# Altium PCB MotorDrive.PcbDoc
Units mm, origin at the board's own origin, x right, y up, seen from the top; angles counter-clockwise.
Board outline 35 x 29 mm, 2 copper layers (Top Layer, Bottom Layer); 56 components, 53 nets, 266 pads, 142 vias.
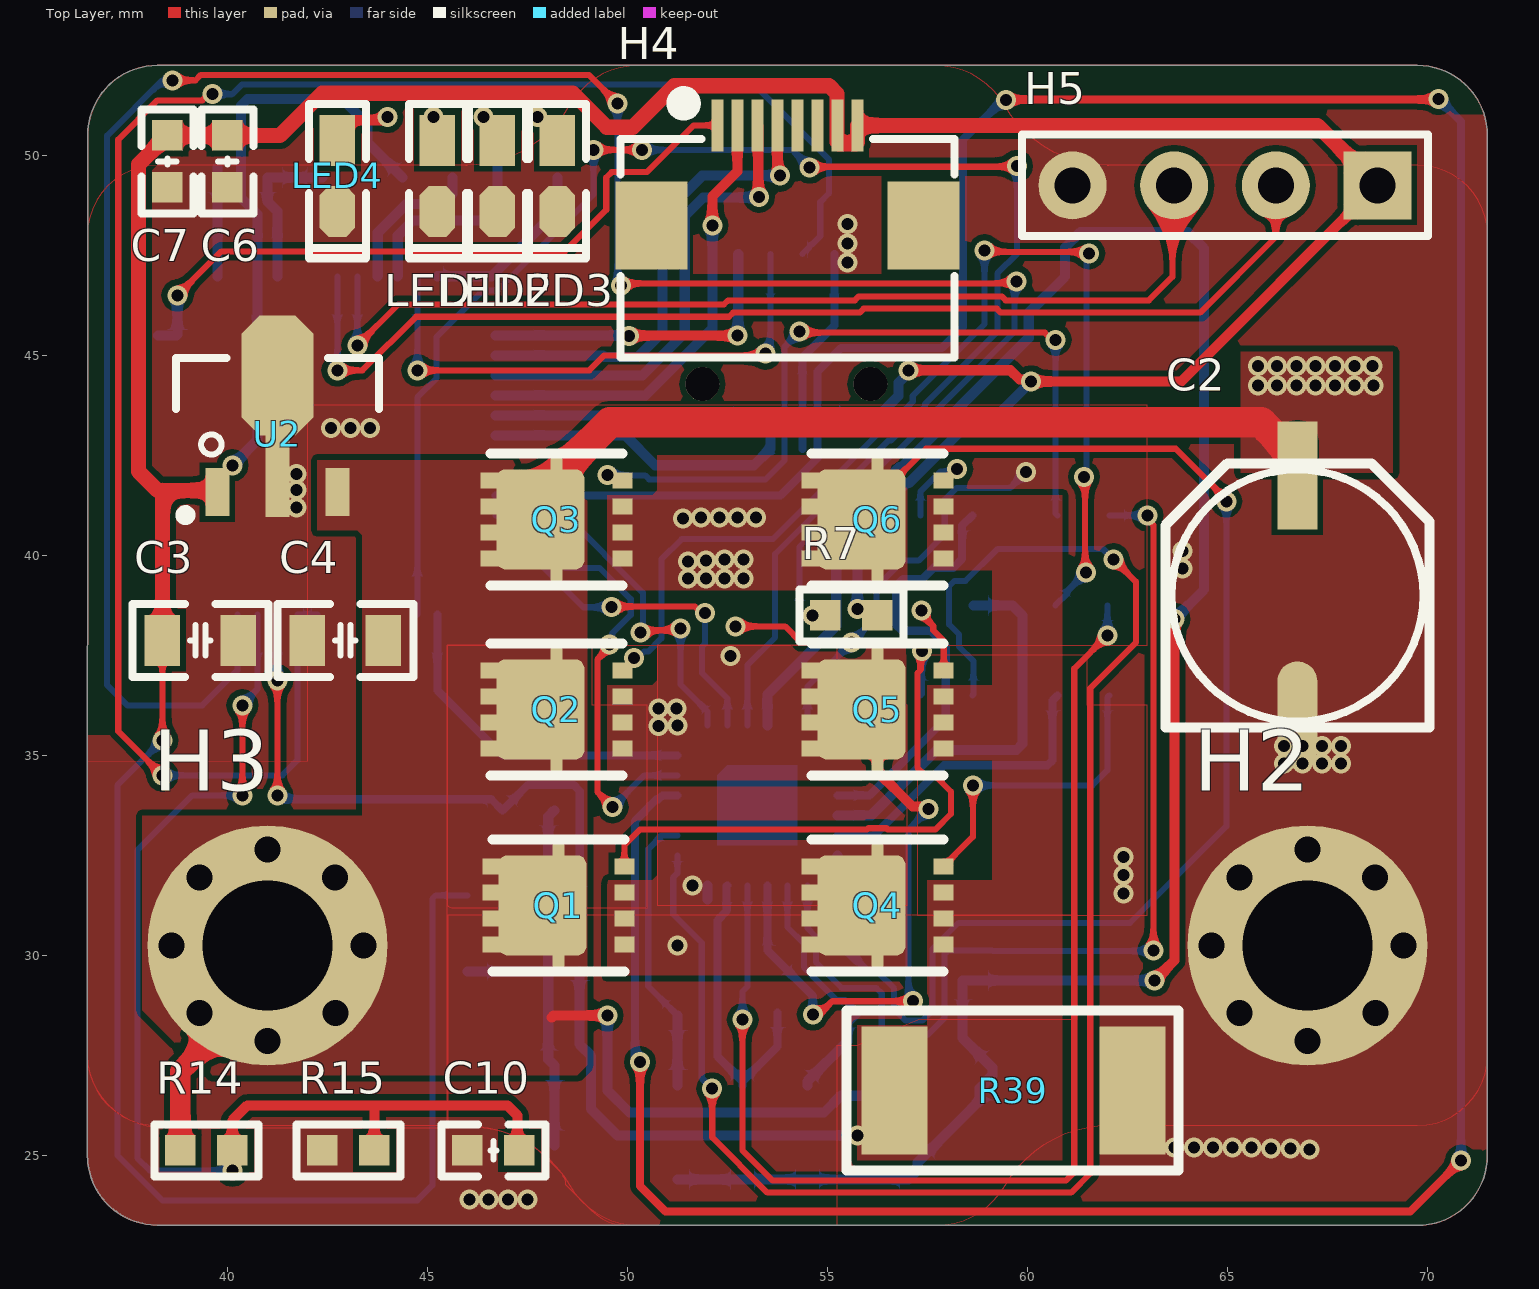
[diagram p0: Top Layer view]
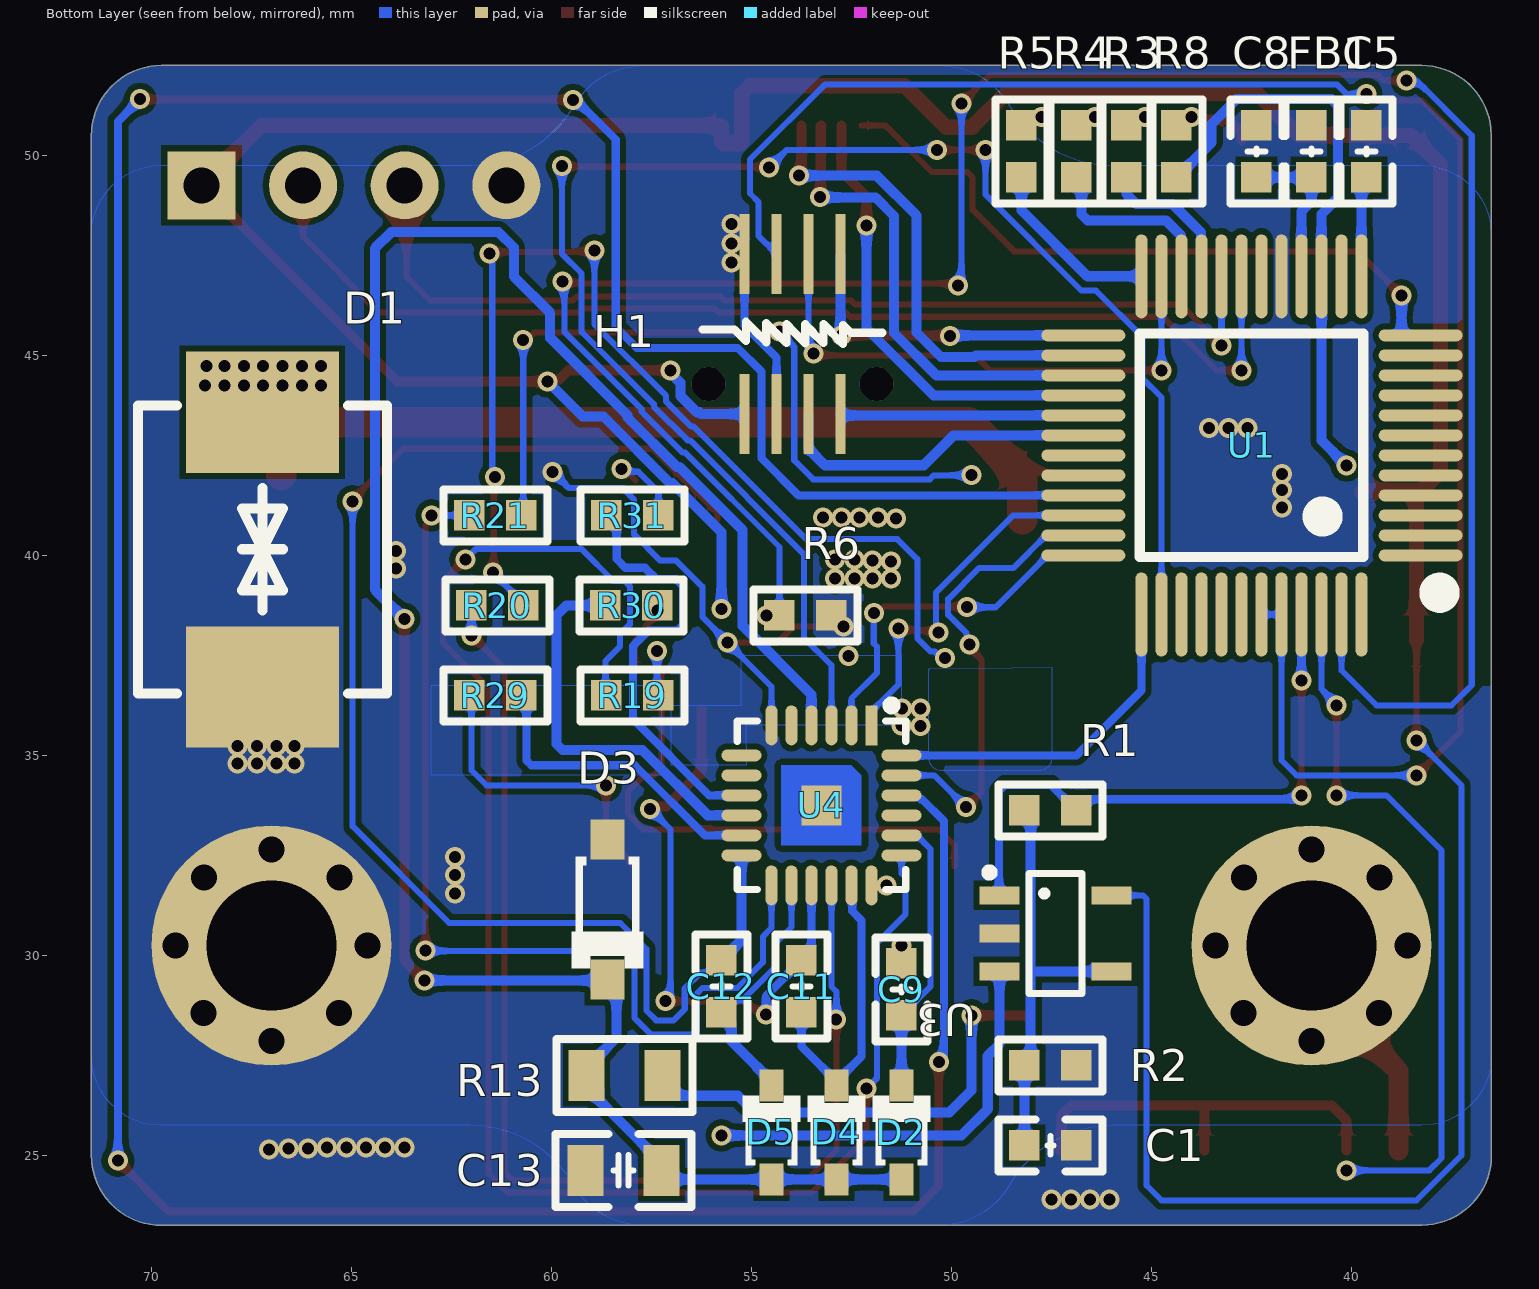
[diagram p1: Bottom Layer view, seen from below]

## Layer stack, top to bottom
Top Solder: solder mask 0.0102, Solder Resist, Dk 3.5
Top Layer: signal copper 0.0356
Dielectric 1: dielectric 0.32, FR-4, Dk 4.8
Bottom Layer: signal copper 0.0356
Bottom Solder: solder mask 0.0102, Solder Resist, Dk 3.5

## Board outline
36.5,25 ccw(c38.242,25) 38.242,23.258 38.25,23.25 69.75,23.25 ccw(c69.75,25) 71.5,25 71.5,50.5 ccw(c69.75,50.5) 69.75,52.25 38.25,52.248 38.25,52.25 ccw(c38.25,50.508) 36.508,50.508 36.509,50.5

## Design rules (kind name [scope] priority, off if disabled: settings)
Clearance [All] p1: gap=0.152 ignorepadtopadclearanceinfootprint=TRUE
PlaneConnect [All] p1: planeconnectstyle=Direct reliefexpansion=0.508 reliefentries=4 reliefconductorwidth=0.254 reliefairgap=0.254
PolygonConnect [All] p1: connectstyle=Direct reliefconductorwidth=0.254 reliefentries=4 polygonreliefangle="90 Angle" airgapwidth=0.254
RoutingVias [All] p1: holewidth=0.711 width=1.27 viastyle="Through Hole" minholewidth=0.711 minwidth=1.27 maxholewidth=0.711 maxwidth=1.27
SolderMaskExpansion [All] p1: expansion=0.102 istentingtop=FALSE
Width [All] p1: maxlimit=1.27 minlimit=0.152 preferedwidth=0.254 bottomlayer_maxwidth=0.762 minimp=50.000000 maximp=50.000000 favimp=50.000000
29 further rules are at their usual default settings.

## Components (designator, comment, footprint, x,y, rotation, side; value= is the part's Value field where it differs from the comment)
C1 "Cap-Chip" "Cap 0603_L" 47.525,25.25 r180 bottom value=100nF
C2 "极性电容" "CM D(6.3*5.4)" 66.75,39 r90 top value=470uF
C3 "Cap-Chip" "Cap 0805_L" 39.325,37.875 r180 top value=1uF
C4 "Cap-Chip" "Cap 0805_L" 42.95,37.875 r0 top value=1uF
C5 "Cap-Chip" "Cap 0603_L" 39.625,50.1 r270 bottom value=100nF
C6 "Cap-Chip" "Cap 0603_L" 40,49.85 r90 top value=100nF
C7 "Cap-Chip" "Cap 0603_L" 38.5,49.85 r90 top value=100nF
C8 "Cap-Chip" "Cap 0603_L" 42.375,50.1 r270 bottom value=100nF
C9 "Cap-Chip" "Cap 0603_L" 51.25,29.15 r270 bottom value=4.7uF
C10 "Cap-Chip" "Cap 0603_L" 46.65,25.125 r180 top value=100nF
C11 "Cap-Chip" "Cap 0603_L" 53.75,29.225 r270 bottom value=4.7uF
C12 "Cap-Chip" "Cap 0603_L" 55.75,29.225 r270 bottom value=4.7uF
C13 "Cap-Chip" "Cap 0805_L" 58.2,24.625 r180 bottom value=22uF
D1 "SMDJ26CA" DO-214 67,39.875 r90 bottom
D2 "B5819WS" SOD-323 51.25,25.575 r90 bottom
D3 "BZT52C18" SOD-123-L 58.598,31.143 r270 bottom
D4 "B5819WS" SOD-323 52.875,25.575 r90 bottom
D5 "B5819WS" SOD-323 54.5,25.575 r90 bottom
FB1 "磁珠" "Cap 0603_L" 41,50.1 r90 bottom value=0R
H1 "数据接口" "0.8MM 2X4" 53.921,45.603 r90 bottom
H2 "贴片螺母" M4贴片螺丝 67,30.25 r0 top
H3 "贴片螺母" M4贴片螺丝 41,30.25 r0 top
H4 "Hall" "FPC0.5 2H-WS-8P" 54,48.253 r0 top
H5 "HDR 1X4" HDR2.54-LI-4P 64.94,49.25 r180 top
LED1 "发光二极管" "LED 0603B" 45.243,49.486 r270 top
LED2 "发光二极管" "LED 0603B" 46.743,49.486 r270 top
LED3 "发光二极管" "LED 0603B" 48.243,49.486 r270 top
LED4 "发光二极管" "LED 0603R" 42.743,49.486 r270 top
Q1 "BSC014N04LS" TSON3x3 48.275,31.25 r90 top
Q2 "BSC014N04LS" TSON3x3 48.225,36.15 r90 top
Q3 "BSC014N04LS" TSON3x3 48.225,40.9 r90 top
Q4 "BSC014N04LS" TSON3x3 56.25,31.25 r90 top
Q5 "BSC014N04LS" TSON3x3 56.25,36.15 r90 top
Q6 "BSC014N04LS" TSON3x3 56.25,40.9 r90 top
R1 "Res-Chip" "Res 0603_L" 47.525,33.625 r180 bottom value=51K
R2 "Res-Chip" "Res 0603_L" 47.525,27.25 r180 bottom value=1K
R3 "Res-Chip" "Res 0603_L" 45.625,50.1 r90 bottom value=1.5K
R4 "Res-Chip" "Res 0603_L" 46.875,50.1 r90 bottom value=1.5K
R5 "Res-Chip" "Res 0603_L" 48.25,50.1 r90 bottom value=1.5K
R6 "Res-Chip" "Res 0603_L" 53.65,38.5 r180 bottom value=10K
R7 "Res-Chip" "Res 0603_L" 55.6,38.5 r180 top value="NTC 10K"
R8 "Res-Chip" "Res 0603_L" 44.375,50.1 r90 bottom value=1.5K
R13 "Res-Chip" "Res 0805_L" 58.175,27 r180 bottom value=100R
R14 "Res-Chip" "Res 0603_L" 39.475,25.125 r0 top value=51K
R15 "Res-Chip" "Res 0603_L" 43.025,25.125 r180 top value=10K
R19 "Res-Chip" "Res 0603_L" 57.975,36.5 r180 bottom value=4.7R
R20 "Res-Chip" "Res 0603_L" 61.35,38.75 r180 bottom value=4.7R
R21 "Res-Chip" "Res 0603_L" 61.4,41 r180 bottom value=4.7R
R29 "Res-Chip" "Res 0603_L" 61.4,36.5 r0 bottom value=4.7R
R30 "Res-Chip" "Res 0603_L" 58,38.75 r180 bottom value=4.7R
R31 "Res-Chip" "Res 0603_L" 57.975,41 r180 bottom value=4.7R
R39 "Res-Chip" "Res 2512_L" 59.675,26.625 r180 top value=5mR
U1 "STC32G12K128-48PIN" "LQFP48 7X7_M" 42.5,42.75 r90 bottom
U2 "XC6202P332" SOT89_L 41.25,41.884 r0 top
U3 "OPA333" SOT23-5L 47.4,30.55 r270 bottom
U4 "FD6288Q" "QFN24 4x4_M" 53.25,33.75 r0 bottom

## Footprints (in the part's own frame and the unit in brackets; to place one, negate y for a bottom-side part, rotate by r counter-clockwise, add the part's x,y. Pads: shape width x height; smd on the part's side, far side on the other; paste and mask are expansions set on the pad)
"0.8MM 2X4" [mm]
  rect 2x0.25 smd: 1(-2.068,1.253) 2(-2.068,0.453) 3(-2.068,-0.347) 4(-2.068,-1.147) 5(1.932,-1.147) 6(1.932,-0.347) 7(1.932,0.453) 8(1.932,1.253)
  round 0.85 hole 0.85 unplated: " "(-1.318,-2.047) " "(-1.318,2.153)
  silkscreen extent -0.32,-2.19 0.24,2.3
"Cap 0603_L" [mil] "无极性贴片电容"
  rect 30x30 smd: 1(-25.59,0) 2(25.59,0)
  silkscreen extent -51,-26 51,26, body extent -31,-16 31,16, height 32
"Cap 0805_L" [mil] "无极性贴片电容"
  rect 35x50 smd: 1(-37.4,0) 2(37.4,0)
  silkscreen extent -67,-36 67,36, body extent -39,-24 39,24, height 20
"CM D(6.3*5.4)" [mm] "贴片电解电容，直径6.3mm，高5.4mm"
  rect 2.7x1 smd: 1(3,0)
  oval 2.7x1 smd: 2(-3,0)
  silkscreen extent -3.3,-3.3 3.3,3.3, body extent -3.5,-3.3 3.5,3.3, height 5.4
DO-214 [mm]
  rect 3.03x3.82 smd paste+0 mask+0.051: 1(-3.166,0.226) 2(3.704,0.226)
  silkscreen extent -3.33,-2.88 3.87,3.34
"FPC0.5 2H-WS-8P" [mm] "长：8.2mm，宽：5.2mm，高：2mm"
  rect 1.8x2.2 smd: 0(-3.4,0) 0(3.4,0)
  rect 0.3x1.3 smd: 1(-1.75,2.497) 2(-1.25,2.497) 3(-0.75,2.497) 4(-0.25,2.497) 5(0.25,2.497) 6(0.75,2.497) 7(1.25,2.497) 8(1.75,2.497)
  silkscreen extent -4.17,-3.3 4.17,3.23, body extent -4.1,-3.15 4.1,2.85, height 2
HDR2.54-LI-4P [mm] "排针，4脚"
  rect 1.7x1.7 hole 0.9: 1(-3.81,0)
  round 1.7 hole 0.9: 2(-1.27,0) 3(1.27,0) 4(3.81,0)
  silkscreen extent -5.08,-1.27 5.08,1.27, body extent -5.08,-1.27 5.08,1.27, height 8.5
"LED 0603B" [mil] "蓝色0603LED"
  rect 50x35 smd: 1(-35,0.26)
  oct 50x35 smd: 2(35,0.26)
  silkscreen extent -71,-28 81,28, body extent -31,-16 32,16, height 24
"LED 0603R" [mil] "红色0603LED"
  rect 50x35 smd: 1(-35,0.26)
  oct 50x35 smd: 2(35,0.26)
  silkscreen extent -71,-28 81,28, body extent -31,-16 31,16, height 18
"LQFP48 7X7_M" [mm] "48脚，体宽7x7mm，脚距0.5mm"
  oval 0.3x2.1 smd: 1(-2.75,-4.227) 2(-2.25,-4.227) 3(-1.75,-4.227) 4(-1.25,-4.227) 5(-0.75,-4.227) 6(-0.25,-4.227) 7(0.25,-4.227) 8(0.75,-4.227) 9(1.25,-4.227) 10(1.75,-4.227) 11(2.25,-4.227) 12(2.75,-4.227) 25(2.75,4.202) 26(2.25,4.202) 27(1.75,4.202) 28(1.25,4.202) 29(0.75,4.202) 30(0.25,4.202) 31(-0.25,4.202) 32(-0.75,4.202) 33(-1.25,4.202) 34(-1.75,4.202) 35(-2.25,4.202) 36(-2.75,4.202)
  oval 2.1x0.3 smd: 13(4.227,-2.75) 14(4.227,-2.25) 15(4.227,-1.75) 16(4.227,-1.25) 17(4.227,-0.75) 18(4.227,-0.25) 19(4.227,0.25) 20(4.227,0.75) 21(4.227,1.25) 22(4.227,1.75) 23(4.227,2.25) 24(4.227,2.75) 37(-4.227,2.75) 38(-4.227,2.25) 39(-4.227,1.75) 40(-4.227,1.25) 41(-4.227,0.75) 42(-4.227,0.25) 43(-4.227,-0.25) 44(-4.227,-0.75) 45(-4.227,-1.25) 46(-4.227,-1.75) 47(-4.227,-2.25) 48(-4.227,-2.75)
  silkscreen extent -3.93,-4.95 2.79,2.79, body extent -4.5,-4.5 4.5,4.5, height 1.45
M4贴片螺丝 [mm] "贴片螺母"
  round 1 hole 0.65: 1(-2.396,-0.002) 1(-1.696,1.693) 1(-1.693,-1.696) 1(0,2.4) 1(0.002,-2.396) 1(1.693,1.696) 1(1.698,-1.694) 1(2.398,0.001)
  round 6 hole 3.25: 1(0,0)
  body extent -2.7,-2.35 2.7,2.35, height 4.05
"QFN24 4x4_M" [mm] "24脚，长x宽x高：4x4x1mm，脚距：0.5mm"
  rect 0.3x1 smd: 1(-1.25,-2)
  oval 0.3x1 smd: 2(-0.75,-2) 3(-0.25,-2) 4(0.25,-2) 5(0.75,-2) 6(1.25,-2) 13(1.25,2) 14(0.75,2) 15(0.25,2) 16(-0.25,2) 17(-0.75,2) 18(-1.25,2)
  oval 1x0.3 smd: 7(2,-1.25) 8(2,-0.75) 9(2,-0.25) 10(2,0.25) 11(2,0.75) 12(2,1.25) 19(-2,1.25) 20(-2,0.75) 21(-2,0.25) 22(-2,-0.25) 23(-2,-0.75) 24(-2,-1.25)
  rect 1x1 smd: 25(0,0)
  Top Layer region: -1,1 1,1 1,-1 -0.75,-1 -1,-0.75
  silkscreen extent -2.11,-2.6 2.11,2.11, body extent -2.01,-2.01 2.01,2.01, height 0.95
"Res 0603_L" [mil] "1/10W贴片电阻"
  rect 30x30 smd: 1(-25.59,0) 2(25.59,0)
  silkscreen extent -51,-26 51,26, body extent -31,-16 31,16, height 16
"Res 0805_L" [mil] "1/8W贴片电阻"
  rect 35x50 smd: 1(-37.4,0) 2(37.4,0)
  silkscreen extent -67,-36 67,36, body extent -39,-25 39,25, height 20
"Res 2512_L" [mm] "1W贴片电阻"
  rect 1.65x3.2 smd: 1(-2.95,0) 2(3,0)
  silkscreen extent -4.1,-2 4.2,2, body extent -3.2,-1.6 3.2,1.6, height 0.55
SOD-123-L [mm] "SOD Diode;2.70mm W X 1.60mm L X 1.35mm H body"
  rect 1x0.85 smd: A(-1.75,0) K(1.75,0)
  silkscreen extent -1.33,-0.9 1.48,0.9, body extent -1.85,-0.8 1.85,0.8, height 1.2
SOD-323 [mm] "SOD Diode;1.65mm W X 1.24mm L X 1.16mm H body"
  rect 0.8x0.6 smd: A(-1.175,0) K(1.175,0)
  silkscreen extent -0.82,-0.72 0.92,0.72, body extent -1.3,-0.65 1.3,0.65, height 1
SOT23-5L [mm] "3x1.6x1.1mm(长宽高)"
  rect 0.45x1 smd: 1(-0.95,-1.4) 2(0,-1.4) 3(0.95,-1.4) 4(0.95,1.4) 5(-0.95,1.4)
  silkscreen extent -1.6,-1.73 1.5,0.66, body extent -1.5,-1.4 1.5,1.4, height 1.15
SOT89_L [mm] "4.6x4.3x1.6mm(长宽高)"
  rect 0.6x1.2 smd: 1(-1.5,-0.303) 3(1.5,-0.303)
  rect 0.6x2.1 smd: 2(0,0.127)
  oct 1.8x3 smd: 2(0,2.616)
  silkscreen extent -2.54,-1 2.54,3.05, body extent -2.3,-0.88 2.3,3.42, height 1.6
TSON3x3 [mm]
  rect 0.4x0.5 smd: 1(-0.975,1.65) 1(-0.325,1.65) 1(0.325,1.65) 1(0.975,1.65) 2(0.975,-1.65) 3(-0.975,-1.65) 3(-0.325,-1.65) 3(0.325,-1.65)
  rrect20% 2.5x2.2 smd: 1(0,0.4)
  rrect20% 3.4x0.3 smd: 1(0,0)
  silkscreen extent -1.65,-1.65 1.65,1.65, body extent -1.66,-1.65 1.66,1.65, height 0.85

## Part data
C1 C3 C4 C5 C6 C7 C8 C9 C10 C11 C12 C13: Voltage=Voltage, Revision=V1.0
C2: "固态电容/电解电容/钽电容", Voltage=Voltage, Revision=V1.0
D1: library part "Diode TVS Bi-Dir", "TRANSIENT VOLTAGE  SUPPRESSOR DIODE", Imax=500mA, Price(RMB)=0.000, Published=8-Jun-2000, Publisher="Altium Limited"
D2 D4 D5: "B5819WS 肖特基二极管", Revision=V1.0
D3: "稳压二极管 齐纳二极管  Zener Diode", Price(RMB)=0.000, Published=8-Jun-2000, Publisher="Altium Limited", Revision="July-2002: Re-released for DXP Platform."
FB1: "贴片磁珠", Frequency=@100MHz, DCR=.1m, Imax=500mA, Published=2020-12-18, Revision=V1.0
H1: library part "对板连接器 2X4"
H4: library part FPC_8Pin
LED1 LED2 LED3: Color=冰蓝
LED4: Color=粉红
Q1 Q2 Q3 Q4 Q5 Q6: "英飞凌 N沟 MOS"
R1 R2 R3 R4 R5 R6 R7 R8 R13 R14 R15 R19 R20 R21 R29 R30 R31 R39: "贴片电阻", Power=1/8W, Tolerance=±1%, Revision=V1.0
U1: "STC32G12K128 LQFP48"
U2: "LDO 3V3 Max=200mA"
U4: "FD6288Q 三相栅极驱动器"

## Via types
v1: diameter 0.5, hole 0.3, Top Layer to Bottom Layer, tented both sides, 142 vias

## Nets (pads, with @x,y where several pads share a name; then routed paths per layer and width w, separated by ;. In a path a pad name is that pad's centre, name@x,y a point inside that pad or via, vN(x,y) a via of type N, cw(c..) or ccw(c..) an arc to the next point about the centre after c; other vN are vias at no path point)
ADC_Meter_I: R1.2 U1.45 U3.1 | length 15.2
  Top Layer w0.152: v1(41.25,34) v1(41.25,36.875)
  Bottom Layer w0.203: v1(41.25,34) 41.33,34 41.426,33.904 46.596,33.904 R1.2 47.51,34.26 48.661,34.26 48.81,34.111 48.81,31.51 U3.1 ; v1(41.25,36.875) U1.45
ADC_Meter_TMOS: R6.1 R7.2 U1.47 | length 57.6
  Top Layer w0.152: v1(38.625,51.875) 39.203,51.875 39.34,52.012 49.037,52.012 v1(49.75,51.299) v1@49.684,51.299 ; v1(49.835,46.751) 49.886,46.802 59.677,46.802 v1(59.729,46.854)
  Bottom Layer w0.152: v1@38.375,51.875 36.994,50.494 36.994,36.756 37.5,36.25 39.375,36.25 40.25,37.125 U1.47 ; v1(49.75,51.299) 49.75,46.973 49.768,46.955 49.768,46.817 v1(49.835,46.751) ; R6.1 54.3,40.21 56.66,42.569 56.72,42.569 57.744,43.593 57.744,43.653 59.678,45.587 59.678,46.803 v1(59.729,46.854)
  other v1: 54.625,38.5
ADC_Meter_VBAT: C10.1 R14.2 R15.1 U1.46 | length 28.3
  Top Layer w0.152: v1(40.375,34) v1(40.375,36.25)
  Top Layer w0.254: R14.2 40.125,25.875 40.5,26.25 43.75,26.25 ; R15.1 43.675,26.175 43.75,26.25 ; C10.1 47.25,25.175 47.25,26 47,26.25 43.75,26.25
  Bottom Layer w0.152: v1(40.125,24.625) 38.056,24.625 37.75,24.931 37.75,32.625 39.125,34 v1(40.375,34) ; v1(40.375,36.25) 40.375,36.285 40.75,36.66 U1.46
CLK: H1.3 U1.30 | length 8.2
  Bottom Layer w0.254: U1.30 49.947,43 50.691,42.255 53.166,42.255 53.575,42.664 H1.3
DATA: H1.4 U1.29 | length 6.1
  Bottom Layer w0.254: U1.29 52.773,43.5 52.775,43.502 H1.4
DBRX: H5.2 U1.19 | length 28.6
  Top Layer w0.152: v1(42.75,44.625) 43.375,44.625 44.717,45.967 52.54,45.967 52.643,46.07 55.811,46.07 55.91,46.169 59.235,46.169 59.334,46.07 64.32,46.07 66.21,47.96 H5.2
  Bottom Layer w0.152: v1(42.75,44.625) U1.19
DBTX: H5.3 U1.20 | length 25.2
  Top Layer w0.152: v1(43.25,45.25) 44.272,46.272 52.414,46.272 52.517,46.375 55.685,46.375 55.784,46.474 59.361,46.474 59.46,46.375 63.037,46.375 63.625,46.963 63.625,49.205 H5.3
  Bottom Layer w0.152: v1(43.25,45.25) U1.20
EXP: H1.5 U1.25 | length 9
  Top Layer w0.254: v1(50.042,45.489) 50.048,45.494 52.744,45.494 v1(52.75,45.5)
  Bottom Layer w0.254: U1.25 50.031,45.5 v1(50.042,45.489) ; v1(52.75,45.5) 52.773,45.523 H1.5 H1.5 H1.5@52.775,46.664
GND: C1.2 C2.2 C3.1 C4.1 C5.1 C6.1 C7.1 C8.1 C10.2 C13.1 D1.1 D3.A FB1.2 H1.2 H1.8 H2.1 H4.5 H4.6 H5.4 LED1.2 LED2.2 LED3.2 LED4.2 R2.2 R6.2 R15.2 R39.1 U1.17 U2.2 U3.2 U4.6 U4.25 | length 17.9
  Top Layer w0.152: v1(52.705,38.227) 53.944,38.227 54.351,37.82 v1(55.6,37.82)
  Bottom Layer w0.152: U4.6 54.5,36.72 v1(55.6,37.82) ; v1@55.594,37.89 55.658,37.89 56.229,38.461 56.229,39.217 56.882,39.87 57.281,39.87 57.935,40.524 57.935,41.395 58.223,41.683 59.565,41.683 v1(59.969,42.088)
  Bottom Layer w0.203: H1.2@54.375,42.66 H1.2 54.375,44.948 55.175,45.748 H1.8
  other v1: 46.05,23.901 46.533,23.901 47.015,23.901 47.498,23.901 67.056,25.146 66.091,25.171 66.573,25.171 63.678,25.197 64.16,25.197 64.643,25.197 65.126,25.197 65.608,25.197 62.408,31.547 62.408,32.004 62.408,32.461 66.421,34.798 66.878,34.798 67.361,34.798 67.843,34.798 66.421,35.23 66.878,35.23 67.361,35.23 67.843,35.23 63.881,39.675 63.881,40.107 41.732,41.199 41.732,41.631 41.732,42.037 42.596,43.18 43.078,43.18 43.561,43.18 55.499,47.32 55.499,47.803 55.499,48.285
Hall_A: H4.2 U1.28 | length 11.5
  Top Layer w0.254: v1(52.125,48.25) 52.125,48.971 52.75,49.596 H4.2
  Bottom Layer w0.254: U1.28 48.625,44 50.451,44 52.125,45.674 v1(52.125,48.25)
Hall_B: H4.3 U1.27 | length 12
  Top Layer w0.254: H4.3 53.27,50.73 53.27,48.985 v1(53.289,48.966)
  Bottom Layer w0.254: U1.27 48.554,44.5 50.377,44.5 51.436,45.559 51.436,48.486 51.896,48.946 53.269,48.946 v1(53.289,48.966)
Hall_C: H4.4 U1.26 | length 12
  Top Layer w0.254: H4.4 53.75,49.625 53.813,49.562 v1(53.813,49.495)
  Bottom Layer w0.254: U1.26 49.387,45 49.428,44.959 50.261,44.959 50.875,45.573 50.875,48.5 51.87,49.495 v1(53.813,49.495)
HOA: R19.1 U4.19 | length 41.4
  Top Layer w0.152: v1(52.121,26.67) 52.121,25.448 53.499,24.07 61.094,24.07 61.571,24.548 61.571,36.679 62.713,37.821 62.713,39.345 v1(62.154,39.903)
  Bottom Layer w0.152: U4.19 51.25,32.052 51.146,31.948 51.146,31.03 51.86,30.317 51.86,26.931 v1(52.121,26.67) ; R19.1 58.649,36.524 58.649,37.363 58.29,37.722 58.29,38.025 58.04,38.274 58.04,39.226 58.174,39.36 58.45,39.36 59.248,40.157 61.891,40.157 62.145,39.903 v1(62.154,39.903)
HOB: R20.1 U4.16 | length 29.9
  Top Layer w0.152: v1(52.883,28.397) 52.875,28.389 52.875,25.125 53.625,24.375 60.968,24.375 61.171,24.579 61.171,37.171 v1(62,38)
  Bottom Layer w0.152: v1(52.883,28.397) 52.875,28.405 52.875,29.094 53,29.219 U4.16 ; v1(62,38) R20.1
HOC: R21.1 U4.13 | length 25.5
  Top Layer w0.152: v1(63,41) 63,40.906 63.148,40.758 v1(63.148,30.125)
  Bottom Layer w0.152: U4.13 54.5,30.686 54.715,30.471 54.715,29.825 55.355,29.185 56.226,29.185 56.36,29.051 56.36,28.105 56.449,28.016 57.506,28.016 57.929,28.44 57.929,30.032 58.019,30.122 59.117,30.122 59.128,30.111 63.134,30.111 v1(63.148,30.125) ; R21.1 v1(63,41)
ISUM: Q4.3 Q5.3 Q6.3 R39.2 U3.3 | length 10.5
  Bottom Layer w0.254: U3.3 48.8,27.782 49.094,27.489 49.094,26.156 49.75,25.5 v1(55.75,25.5)
LED_A: R3.1 U1.21 | length 3.8
  Bottom Layer w0.254: U1.21 43.759,46.986 43.759,48.068 44.472,48.781 45.375,48.781 45.625,49.031 R3.1
LED_B: R4.1 U1.22 | length 4.9
  Bottom Layer w0.254: U1.22 44.259,46.986 44.259,47.993 44.641,48.375 46.601,48.375 46.75,48.524 R4.1@46.75,49.7
LED_C: R5.1 U1.24 | length 4.5
  Bottom Layer w0.254: U1.24 46.602,46.977 48.25,48.625 R5.1
LOA: R29.1 U4.11 | length 7.8
  Bottom Layer w0.203: U4.11 56.163,33 57.917,34.754 60.506,34.754 60.625,34.873 60.625,36.375 R29.1
LOB: R30.1 U4.10 | length 9.9
  Bottom Layer w0.254: U4.10 56.097,33.5 57.732,35.135 59.726,35.135 59.875,35.284 59.875,38.5 59.625,38.75 R30.1
LOC: R31.1 U4.9 | length 10.9
  Bottom Layer w0.203: U4.9 56.055,34 57.96,35.905 57.96,37.731 57.576,38.115 56.864,38.115 56.715,38.264 56.715,39.236 56.889,39.41 57.378,39.41 57.657,39.69 58.146,39.69 58.369,39.913 58.369,40.744 R31.1
"Motor ADC": H4.1 U1.12 | length 17.2
  Top Layer w0.152: v1(38.75,46.5) 39.852,47.602 48.436,47.602 49.471,48.638 49.471,49.448 49.605,49.582 50.487,49.582 51.655,50.75 H4.1
  Bottom Layer w0.254: U1.12 38.729,45.5 38.75,45.521 v1(38.75,46.5)
NetC1_1: C1.1 R1.1 R2.1 U3.4 | length 10.5
  Bottom Layer w0.254: U3.4 47.996,29.6 48.021,29.625 ; C1.1 R2.1 48.021,27.404 48.021,29.625 ; R1.1 48.021,33.471 48.021,29.625
NetC5_2: C5.2 U1.13 | length 2.7
  Bottom Layer w0.254: U1.13 C5.2@39.75,49.7
NetC8_2: C8.2 FB1.1 U1.16 | length 4
  Bottom Layer w0.254: U1.16 41.25,48.605 41,48.855 FB1.1 C8.2
NetC13_2: C13.2 D2.A D3.K D4.A D5.A R13.1 U4.4 | length 54.4
  Top Layer w0.254: v1(63.177,29.375) 63.678,29.876 v1(63.678,38.408)
  Bottom Layer w0.254: D2.A D4.A D5.A 57.025,24.4 C13.2 57.25,24.816 58.807,26.373 58.807,26.682 R13.1 59.125,27.19 58.375,27.941 58.375,29.375 v1(63.177,29.375) ; U4.4 53.5,36.517 55.221,38.238 55.221,40.627 56.807,42.214 56.867,42.214 58.099,43.446 58.099,43.506 60.033,45.44 60.033,46.063 60.939,46.969 60.939,47.696 61.325,48.082 64.008,48.082 64.414,47.676 64.414,39.144 v1(63.678,38.408)
NetLED1_1: LED1.1 R3.2
  other v1: 45.158,50.961
NetLED2_1: LED2.1 R4.2
  other v1: 46.408,50.961
NetLED3_1: LED3.1 R5.2
  other v1: 47.75,50.961
NetLED4_1: LED4.1 R8.2 | length 1.6
  Top Layer w0.254: LED4.1 42.75,50.565 43.068,50.883 43.856,50.883 43.933,50.961 v1(44,50.961)
NetQ1_2: Q1.2 R19.2 | length 14.8
  Top Layer w0.152: Q1.2 49.925,32.755 50.321,33.151 55.995,33.151 56.023,33.179 56.477,33.179 56.505,33.151 57.704,33.151 58.09,33.537 58.09,34.095 57.684,34.5 57.448,34.5 57.252,34.696 57.252,37.056 57.328,37.132 57.328,37.572 v1(57.367,37.611)
  Bottom Layer w0.152: R19.2 57.363,36.538 57.363,37.607 v1(57.367,37.611)
NetQ2_2: Q2.2 R20.2 | length 27.1
  Top Layer w0.152: v1(58.928,47.625) 58.964,47.589 61.508,47.589 v1(61.544,47.553) ; v1(61.417,41.961) 61.443,41.935 61.443,39.599 v1(61.468,39.573)
  Bottom Layer w0.152: v1(50.165,37.44) 50.259,37.44 50.416,37.596 50.523,37.596 50.851,37.924 50.851,39.903 51.355,40.407 53.635,40.407 56.453,43.225 56.513,43.225 57.134,43.846 57.134,43.986 58.928,45.78 v1(58.928,47.625) ; R20.2 61.005,39.055 61.005,39.11 v1(61.468,39.573) ; v1(61.417,41.961) 61.481,42.024 61.481,47.489 v1(61.544,47.553)
NetQ3_2: Q3.2 R21.2 | length 18.9
  Top Layer w0.152: v1(54.305,45.592) 54.329,45.568 60.434,45.568 60.612,45.39 v1(60.706,45.39)
  Bottom Layer w0.152: v1(49.5,42.004) 49.504,42 50.444,42 50.544,41.9 53.457,41.9 53.93,42.373 53.93,45.217 v1(54.305,45.592) ; v1(60.706,45.39) 60.706,41.044 R21.2
NetQ4_2: Q4.2 R29.2 | length 7.8
  Top Layer w0.152: Q4.2 57.95,32.225 58.074,32.349 58.074,32.399 58.638,32.963 v1(58.638,34.25)
  Bottom Layer w0.152: v1(58.638,34.25) 61.625,34.25 62,34.625 62,36.45 R29.2
NetQ5_2: Q5.2 R30.2 | length 1.9
  Top Layer w0.152: v1(57.353,38.619) 57.353,38.529 57.647,38.236 57.647,38.128 57.908,37.866 57.908,37.133 Q5.2
  Bottom Layer w0.152: R30.2 57.353,38.747 v1(57.353,38.619)
NetQ6_2: Q6.2 R31.2 | length 2.2
  Top Layer w0.152: Q6.2 58.024,41.999 58.074,41.999 58.237,42.162 v1(58.245,42.162)
  Bottom Layer w0.152: R31.2 57.325,41.594 57.826,42.095 58.178,42.095 v1(58.245,42.162)
PWMAH: U1.33 U4.22 | length 90.3
  Top Layer w0.203: v1(50.317,27.33) 50.317,24.232 50.952,23.597 69.571,23.597 v1(70.841,24.867) ; v1(59.461,51.384) 59.474,51.397 70.269,51.397 v1(70.282,51.41)
  Bottom Layer w0.203: U1.33 53.824,41.5 54.754,42.429 54.754,44.598 55.342,45.187 57.867,45.187 58.395,45.714 58.395,50.394 59.385,51.384 v1(59.461,51.384) ; v1(50.317,27.33) 50.317,27.411 50.191,27.537 50.191,33.363 50.733,33.904 50.778,33.904 50.874,34 U4.22 ; v1@70.244,51.397 70.269,51.422 v1(70.282,51.41) 70.841,50.851 v1(70.841,24.867)
PWMAL: U1.34 U4.1 | length 9.3
  Top Layer w0.152: v1(50.325,38.075) 50.376,38.126 51.279,38.126 v1(51.329,38.176)
  Bottom Layer w0.152: U1.34 48.459,41 50.39,39.069 50.39,38.139 v1(50.325,38.075) ; v1(51.329,38.176) 51.329,36.771 52,36.1 U4.1
  Bottom Layer w0.203: v1@51.308,38.155 v1(51.329,38.176)
PWMBH: U1.35 U4.23 | length 11.7
  Top Layer w0.152: v1(49.555,37.77) 49.555,37.703 49.251,37.398 49.251,34.087 v1(49.632,33.706)
  Bottom Layer w0.152: U1.35 47.637,40.5 48.447,39.69 49.303,39.69 50.085,38.908 50.085,38.511 49.622,38.048 49.622,37.836 v1(49.555,37.77) ; v1(49.632,33.706) 50.426,34.5 U4.23
PWMBL: U1.36 U4.2 | length 9
  Top Layer w0.152: v1(49.606,38.71) 49.619,38.722 51.684,38.722 51.849,38.557 v1(51.943,38.557)
  Bottom Layer w0.152: U1.36 46.733,39.968 47.633,39.968 48.899,38.703 49.599,38.703 v1(49.606,38.71) ; v1(51.943,38.557) 51.943,37.799 51.867,37.723 51.867,37.059 52.5,36.425 U4.2
PWMCH: U1.37 U4.24 | length 8.6
  Bottom Layer w0.203: U1.37 45.25,36.625 46.875,35 U4.24
PWMCL: U1.38 U4.3 | length 41.2
  Top Layer w0.152: v1(49.149,50.14) v1(50.368,50.14) ; v1(54.558,49.7) 54.575,49.716 59.724,49.716 v1(59.741,49.733)
  Bottom Layer w0.152: U1.38 44.75,43.948 45.229,44.427 45.229,45.462 46.388,46.621 46.749,46.621 49.149,49.021 v1(49.149,50.14) ; v1(50.368,50.14) 54.119,50.14 v1(54.558,49.7) ; U4.3 53,37.256 53.69,37.947 53.69,40.031 56.534,42.874 56.594,42.874 57.439,43.719 57.439,43.78 59.25,45.591 59.25,47.052 59.741,47.543 v1(59.741,49.733)
PWMIN: H1.7 U1.43 U1.44 | length 45.8
  Top Layer w0.152: v1(38.375,34.5) 37.271,35.604 37.271,50.396 38.25,51.375 39.373,51.375 39.531,51.533 v1(39.625,51.533)
  Bottom Layer w0.152: v1(38.375,34.5) 41.375,34.5 41.75,34.875 U1.44 U1.43 ; v1(39.625,51.533) 40.123,51.533 40.367,51.777 53.158,51.777 55.037,49.898 55.037,49.048 54.821,48.832 54.821,47.981 H1.7
PWMOUT: H1.6 U1.23 | length 13.8
  Top Layer w0.152: v1(44.75,44.625) 49.047,44.625 49.422,45 53.407,45 v1(53.452,45.044)
  Bottom Layer w0.152: v1(44.75,44.625) U1.23 ; v1(53.452,45.044) 53.452,45.12 53.575,45.243 H1.6
VBA: C9.2 D2.K U4.20 | length 7.1
  Bottom Layer w0.152: C9.2 50.521,29.229 50.521,32.657 50.865,33 U4.20
  Bottom Layer w0.254: D2.K C9.2
VBB: C11.2 D4.K U4.17 | length 7.4
  Bottom Layer w0.203: U4.17 52.481,31.731 52.481,31.106 52.25,30.875 52.25,27.475 D4.K@52.875,26.85 ; D4.K D4.K@52.875,26.85 ; C11.2 53.75,27.725 D4.K@52.875,26.85
VBC: C12.2 D5.K U4.14 | length 6.4
  Bottom Layer w0.152: U4.14 54,30.71 54.41,30.3 54.41,29.698 55.229,28.88 55.445,28.88 C12.2
  Bottom Layer w0.254: D5.K 54.5,26.85 55.496,27.846 55.496,28.321 C12.2
VCC3V3: C3.2 C6.2 C7.2 H1.1 H4.7 H4.8 H5.1 R7.1 R8.1 U1.15 U2.1 U3.5 | length 117.2
  Top Layer w0.152: v1(38.375,35.375) C3.2
  Top Layer w0.254: v1(57.023,44.628) 59.573,44.628 59.805,44.395 60.049,44.395 v1(60.096,44.348) 63.848,44.348 H5.1
  Top Layer w0.381: C3.2 38.375,41.625 ; U2.1 39.706,41.625 38.375,41.625 ; H5.1 67.25,50.75 H4.8 55.75,50.331 55.709,50.29 55.29,50.29 55.243,50.338 55.243,51.542 55.042,51.743 51.174,51.743 50.137,50.706 49.484,50.706 48.636,51.554 42.364,51.554 41.311,50.5 C6.2 C7.2 37.776,49.776 37.776,42.099 38.25,41.625 38.375,41.625
  Bottom Layer w0.152: v1(38.375,35.375) 37.25,34.25 37.25,25 38.375,23.875 44.75,23.875 45.125,24.25 45.125,31.411 45.214,31.5 U3.5
  Bottom Layer w0.254: v1(40.125,42.25) 40.75,42.875 U1.15 40.75,48.53 40.34,48.941 40.34,51.247 40.503,51.41 42.872,51.41 43.496,50.786 43.496,50.329 R8.1 ; H1.1 56.26,43.535 56.306,43.58 56.366,43.58 56.779,43.993 56.779,44.317 57.023,44.561 v1(57.023,44.628) ; v1(55.75,38.659) 55.75,40.582 56.975,41.807 57.036,41.807 58.699,43.471 59.219,43.471 v1(60.096,44.348)
VIN: C2.1 C4.2 D1.2 H3.1 Q1.1 Q2.1 Q3.1 R13.2 R14.1 U2.3 | length 39.2
  Top Layer w0.254: 48.108,28.448 48.16,28.5 v1(49.5,28.5)
  Top Layer w0.508: R14.1 38.825,27.105 41,29.28 H3.1@41,30.25
  Top Layer w0.762: Q3.1@48.225,40.9 48.225,41.988 49.563,43.326 65.849,43.326 C2.1@66.75,42.425 ; C2.1 C2.1@66.75,42.425 ; C2.1@66.75,42.85 C2.1@66.75,42.425
  Bottom Layer w0.254: v1(49.5,28.5) 49.5,26.625 50.054,26.071 54.916,26.071 55.337,26.492 56.907,26.492 57.225,26.809 R13.2
  other v1: 65.761,44.247 66.243,44.247 66.726,44.247 67.208,44.247 67.691,44.247 68.174,44.247 68.656,44.247 65.761,44.729 66.243,44.729 66.726,44.729 67.208,44.729 67.691,44.729 68.174,44.729 68.631,44.729
VSA: C9.1 Q1.3 Q4.1 U4.18 | length 0.4
  Bottom Layer w0.254: U4.18@52,31.4 U4.18
  other v1: 51.25,30.25 51.625,31.75
VSB: C11.1 Q2.3 Q5.1 U4.15 | length 14.6
  Top Layer w0.152: v1(54.635,28.524) 54.702,28.591 54.862,28.591 55.125,28.854 v1(57.146,28.854)
  Top Layer w0.254: Q5.1@56.25,36.15 56.25,34.6 57.128,33.722 57.464,33.722 v1(57.531,33.655)
  Bottom Layer w0.152: v1(57.146,28.854) 57.146,28.948 57.023,29.071 57.023,33.147 v1(57.531,33.655)
  Bottom Layer w0.203: U4.15 53.5,30.125 C11.1 54.635,28.99 v1(54.635,28.524)
  other v1: 50.775,35.738 51.25,35.75 50.775,36.17 51.232,36.17 52.577,37.479
VSC: C12.1 Q3.3 Q6.1 U4.12 | length 34.5
  Top Layer w0.152: Q6.1@55.85,40.9 55.85,41.05 57.466,42.666 63.709,42.666 v1@64.999,41.377
  Bottom Layer w0.152: C12.1 56.055,29.57 56.271,29.57 56.667,29.174 56.667,28.656 56.948,28.376 57.383,28.376 57.625,28.618 57.625,30.159 58.276,30.81 62.56,30.81 64.973,33.223 v1(64.973,41.351)
  Bottom Layer w0.254: U4.12 55.25,30.375 C12.1
  other v1: 51.511,39.421 51.968,39.421 52.426,39.421 52.908,39.421 51.511,39.853 51.968,39.878 52.426,39.903 52.908,39.903 51.384,40.919 51.841,40.945 52.299,40.945 52.756,40.945 53.213,40.945
pads on no net: "H1. " H4.0 U1.1 U1.2 U1.3 U1.4 U1.5 U1.6 U1.7 U1.8 U1.9 U1.10 U1.11 U1.14 U1.18 U1.31 U1.32 U1.39 U1.40 U1.41 U1.42 U1.48 U4.5 U4.7 U4.8 U4.21

## Polygon pours and split planes (outlines as drawn)
GND on Top Layer (solid, remove dead copper, pour order 47): 36.5,25 ccw(c38.242,25) 38.242,23.258 38.25,23.25 69.75,23.25 ccw(c69.75,25) 71.5,25 71.5,50.5 ccw(c69.75,50.5) 69.75,52.25 38.25,52.248 38.25,52.25 ccw(c38.25,50.508) 36.508,50.508 36.509,50.5
VSB on Top Layer "VSB_L01_P020" (solid, pour order 20): 56.972,37.75 56.972,34.375 49.5,34.375 49.5,36.75 50.625,36.75 50.75,36.875 50.75,37.75
VIN on Top Layer "VIN_L01_P038" (solid, pour order 38): 65.329,45.085 65.329,42.062 69.139,42.062 69.139,45.085
VIN on Top Layer "VIN_L01_P024" (solid, pour order 24): 37.875,33.486 37.875,28.625 39.5,27 48.75,27 49,27.25 49,42.375 42.25,42.375 42.25,40.625 43.25,40.625 43.375,40.5 43.375,33.486
VSC on Top Layer "VSC_L01_P022" (solid, pour order 22): 57,42.5 57,39.125 49.5,39.125 49.5,41.5 50.625,41.5 50.75,41.625 50.75,42.5
no net on Top Layer "Top Layer-No Net" (solid, remove dead copper, shelved, pour order 42): 36.5,25 ccw(c38.242,25) 38.242,23.258 38.25,23.25 69.75,23.25 ccw(c69.75,25) 71.5,25 71.5,50.5 ccw(c69.75,50.5) 69.75,52.25 38.25,52.248 38.25,52.25 ccw(c38.25,50.508) 36.508,50.508 36.509,50.5
GND on Top Layer "Top Layer-GND 1" (solid, remove dead copper, shelved, pour order 43): 36.5,25 ccw(c38.242,25) 38.242,23.258 38.25,23.25 69.75,23.25 ccw(c69.75,25) 71.5,25 71.5,50.5 ccw(c69.75,50.5) 69.75,52.25 38.25,52.248 38.25,52.25 ccw(c38.25,50.508) 36.508,50.508 36.509,50.5
GND on Top Layer "NONET_L01_P012" (solid, remove dead copper, shelved, pour order 12): 36.5,27.5 ccw(c38.25,27.5) 38.25,25.75 45.96,25.75 cw(c45.96,22.75) 48.558,24.25 ccw(c50.29,25.25) 50.29,23.25 57.71,23.25 ccw(c57.71,25.25) 59.442,24.25 cw(c62.04,22.75) 62.04,25.75 69.75,25.75 ccw(c69.75,27.5) 71.5,27.5 71.5,48 71.507,48 ccw(c69.757,48) 69.757,49.75 62,49.75 62.033,49.748 cw(c62.033,52.748) 59.435,51.248 ccw(c57.703,50.248) 57.703,52.248 50.283,52.248 ccw(c50.283,50.248) 48.551,51.248 cw(c45.953,52.748) 45.953,49.748 46,49.75 38.25,49.75 ccw(c38.25,48) 36.5,48
ISUM on Top Layer "ISUM_L01_P031" (solid, pour order 31): 57.5,39.625 57.5,41.5 60.875,41.5 60.875,39.625
ISUM on Top Layer "ISUM_L01_P032" (solid, pour order 32): 59.125,39.875 59.125,35 60.875,35 60.875,39.875
ISUM on Top Layer "ISUM_L01_P033" (solid, pour order 33): 57.5,34.875 57.5,36.75 60.875,36.75 60.875,34.875
ISUM on Top Layer "ISUM_L01_P034" (solid, pour order 34): 59.125,35.25 59.125,30.375 60.875,30.375 60.875,35.25
ISUM on Top Layer "ISUM_L01_P035" (solid, pour order 35): 57.5,30 57.5,31.875 60.875,31.875 60.875,30
GND on Top Layer "Top Layer-GND" (solid, remove dead copper, shelved, pour order 39): 36.5,25 ccw(c38.242,25) 38.242,23.258 38.25,23.25 69.75,23.25 ccw(c69.75,25) 71.5,25 71.5,50.5 ccw(c69.75,50.5) 69.75,52.25 38.25,52.248 38.25,52.25 ccw(c38.25,50.508) 36.508,50.508 36.509,50.5
ISUM on Top Layer "ISUM_L01_P036" (solid, pour order 36): 55.75,24.875 60.875,24.875 60.875,31.875 60.873,31.873 57.5,31.873 57.5,28.25 55.75,28.25 55.75,25
VSA on Top Layer "VSA_L01_P021" (solid, pour order 21): 57,32.875 57,29.5 49.5,29.5 49.5,31.875 50.625,31.875 50.75,32 50.75,32.875
VIN on Top Layer "NONET_L-01_P-001" (solid, remove dead copper, shelved, pour order 4): 36.5,34.845 36.5,27.498 ccw(c38.212,27.498) 37.001,26.287 ccw(c38.444,27.729) 38.444,25.69 45.484,25.69 cw(c45.484,25.628) 45.528,25.672 cw(c45.595,25.738) 45.5,25.738 45.5,37.75 63,37.75 63,43.75 42,43.75 42,34.852
ISUM on Top Layer "NONET_L-01_P-001" (solid, remove dead copper, shelved, pour order 5): 45.5,31 45.507,30.993 45.507,25.702 46.162,25.702 cw(c46.162,23.163) 47.958,24.958 48.346,24.57 cw(c48.26,24.484) 48.382,24.483 cw(c48.224,24.325) 48.448,24.325 48.448,24.281 49.11,23.618 ccw(c50,24.508) 50,23.25 55.25,23.25 55.25,27.75 55.75,27.75 57.278,28.405 61.248,28.405 61.25,28.407 61.25,31
VSA on Top Layer "NONET_L-01_P-001" (solid, remove dead copper, shelved, pour order 6): 45.5,37.75 45.5,31.25 ccw(c45.637,31.387) 45.637,31.193 50.5,31.193 50.5,36.25 50.495,36.255 49.118,36.255 49.118,37.75
VSB on Top Layer "NONET_L-01_P-001" (solid, remove dead copper, shelved, pour order 7): 50.75,37.75 50.75,31.25 57,31.25 57,36.25 55.25,36.25 55.25,37.75
VSC on Top Layer "NONET_L-01_P-001" (solid, remove dead copper, shelved, pour order 8): 57.25,37.5 57.25,31 63,31 63,36.25 61.5,36.25 61.5,37.5
GND on Bottom Layer "Bottom Layer-GND 1" (solid, remove dead copper, pour order 44): 36.5,25 ccw(c38.242,25) 38.242,23.258 38.25,23.25 69.75,23.25 ccw(c69.75,25) 71.5,25 71.5,50.5 ccw(c69.75,50.5) 69.75,52.25 38.25,52.248 38.25,52.25 ccw(c38.25,50.508) 36.508,50.508 36.509,50.5
GND on Bottom Layer "Bottom Layer-GND" (solid, remove dead copper, shelved, pour order 40): 36.5,25 ccw(c38.242,25) 38.242,23.258 38.25,23.25 69.75,23.25 ccw(c69.75,25) 71.5,25 71.5,50.5 ccw(c69.75,50.5) 69.75,52.25 38.25,52.248 38.25,52.25 ccw(c38.25,50.508) 36.508,50.508 36.509,50.5
GND on Bottom Layer "NONET_L02_P013" (solid, remove dead copper, shelved, pour order 13): 36.5,27.5 ccw(c38.25,27.5) 38.25,25.75 45.96,25.75 cw(c45.96,22.75) 48.558,24.25 ccw(c50.29,25.25) 50.29,23.25 57.71,23.25 ccw(c57.71,25.25) 59.442,24.25 cw(c62.04,22.75) 62.04,25.75 69.75,25.75 ccw(c69.75,27.5) 71.5,27.5 71.5,48 71.507,48 ccw(c69.757,48) 69.757,49.75 62,49.75 62.033,49.748 cw(c62.033,52.748) 59.435,51.248 ccw(c57.703,50.248) 57.703,52.248 50.283,52.248 ccw(c50.283,50.248) 48.551,51.248 cw(c45.953,52.748) 45.953,49.748 46,49.75 38.25,49.75 ccw(c38.25,48) 36.5,48
VSB on Bottom Layer "NONET_L-01_P-001" (solid, remove dead copper, shelved, pour order 10): 51.25,37.506 51.25,35.75 55.141,35.75 55.135,34.75 57,34.75 57,36.25 55.25,36.25 55.25,37.506
VSC on Bottom Layer "NONET_L-01_P-001" (solid, remove dead copper, shelved, pour order 11): 57.25,36.75 57.25,34.5 63,34.5 63,36.75
VSA on Bottom Layer "NONET_L-01_P-001" (solid, remove dead copper, shelved, pour order 9): 47.496,37.204 47.496,34.933 ccw(c47.813,34.933) 47.813,34.615 50.241,34.615 ccw(c50.241,34.938) 50.564,34.938 50.564,37.143 ccw(c50.542,37.143) 50.542,37.165
no net on Bottom Solder "NONET_L-01_P-001" (solid, shelved, pour order 18): 47.891,36.922 47.891,34.946 49.808,34.946 49.841,34.912 49.841,36.91
no net on Bottom Solder "NONET_L-01_P-001" (solid, shelved): 51.486,37.241 51.486,36.125 55.442,36.125 55.442,36.538 55.041,36.939 54.852,36.75 53.879,36.75 53.879,37 53.866,37.013 53.679,37.013 53.679,36.75 52.429,36.75 52.429,37.252
no net on Bottom Solder "NONET_L-01_P-001" (solid, shelved): 58.25,36.75 58.25,35.5 59.25,34.5 60.75,34.5 60.75,36.625 60.875,36.75
no net on Top Solder "NONET_L-01_P-001" (solid, shelved): 58.115,37.224 61.306,37.224 61.306,36.12 62.243,36.12 62.243,34.674 58.115,34.674
no net on Top Solder "NONET_L-01_P-001" (solid, shelved): 51.75,34.75 56.25,34.75 56.25,36 55,36 55,37.25 51.75,37.25
no net on Top Solder "NONET_L-01_P-001" (solid, shelved): 48.625,37.235 48.625,36.125 50.23,36.125 50.23,34.77 ccw(c50.25,34.77) 50.25,34.75 45.75,34.75 45.75,37.274

## Other copper
Top Layer:
  pour cut-out: 71.131,25.157 71.343,25.157 71.603,24.897 71.603,24.282
  pour cut-out: 37.056,35.514 37.051,35.509 36.5,35.509 36.5,35.89 36.525,35.865 37.033,35.865
  pour cut-out: 70.572,51.119 70.681,51.01 71.433,51.01 71.433,51.292 70.866,51.859
Bottom Layer:
  pour cut-out: 63.068,30.963 63.148,30.882 63.148,30.535 62.975,30.535 62.886,30.446
  pour cut-out: 36.779,36.666 36.717,36.728 36.5,36.728 36.5,36.754 36.779,37.033
  pour cut-out: 39.458,39.882 39.632,39.708 39.632,39.613 39.442,39.423 39.173,39.692
  pour cut-out: 38.456,37.033 38.989,37.033 39.243,36.779 38.481,36.779 38.481,37.008

## Silkscreen, mask and mechanical layers (free items; w line width, h text height)
Mechanical 1:
  lines w0.203: 36.508,50.508 cw(c38.25,50.508) 38.25,52.25 ; 36.509,50.5 36.5,25 ccw(c38.242,25) 38.242,23.258 ; 38.25,23.25 69.75,23.25 ccw(c69.75,25) 71.5,25 71.5,50.5 ccw(c69.75,50.5) 69.75,52.25 38.25,52.248

## Dimensions
36.5,52.5 to 71.5,52 on Top Overlay